# KiCad board RADAR_Main_Board.kicad_pcb (continued)
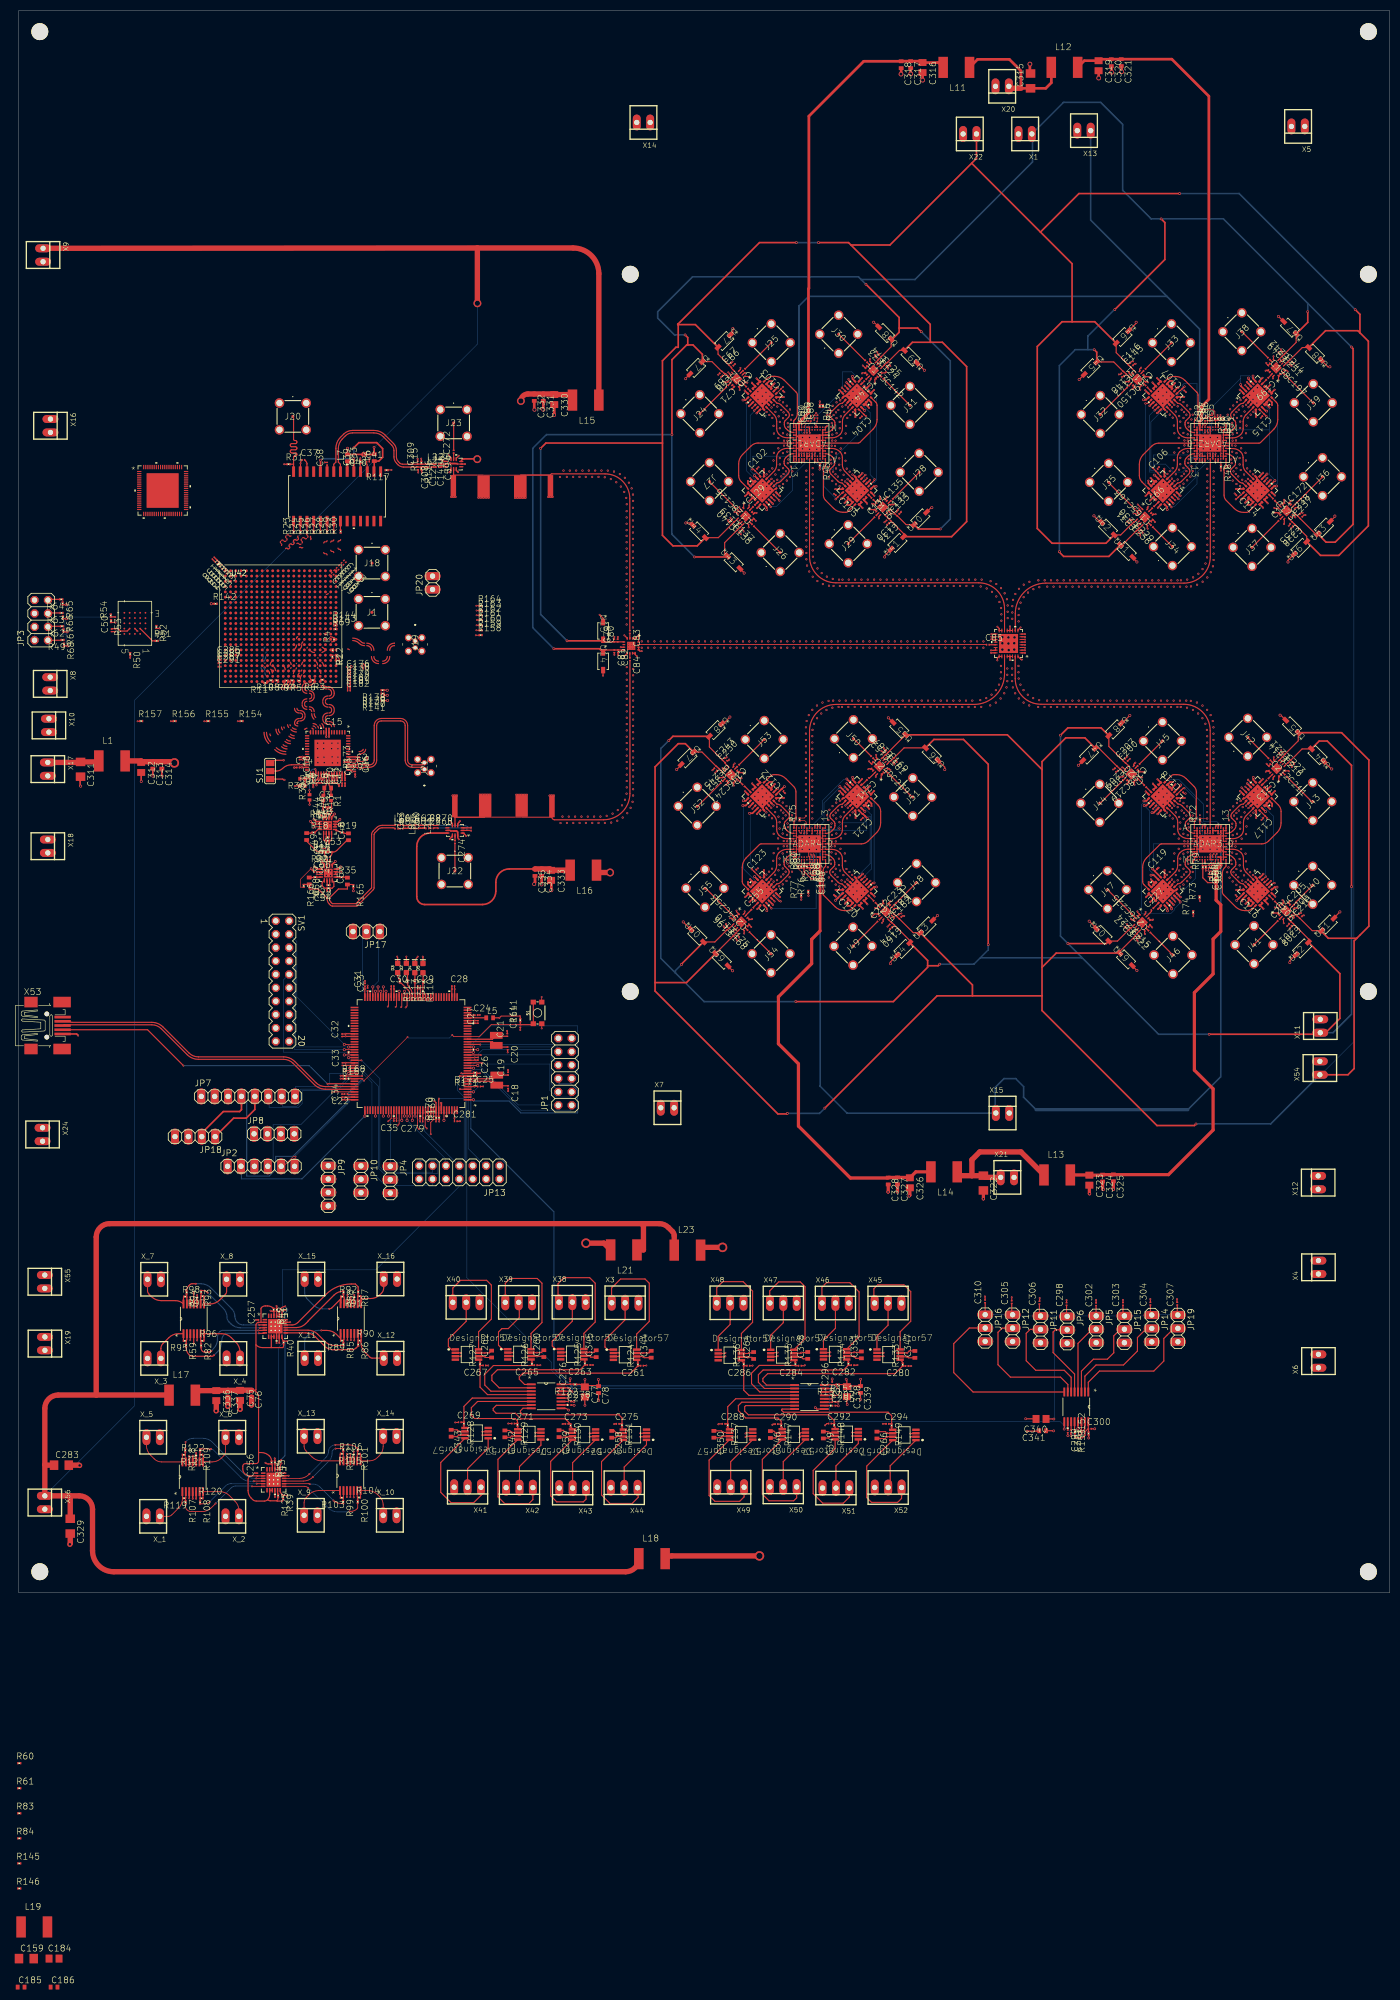
[diagram p0: board, top side]
## Nets (continued)
N$80: ADAR2_0.N5 R55.1 R78.2
N$81: ADAR3_0.N4 R56.1 R79.2
N$82: C65.1 L10.2
N$83: ADAR4_0.N5 R58.1 R81.2
N$84: ADAR4_0.N4 R57.1 R80.2
N$85: C54.2 R32.2 U8.1
N$86: C54.1 R32.1 U8.4
N$87: R22.1 U8.3
N$88: R22.2 U8.2
N$89: R35.1 U8.5
N$91: R112.2 U2.53
N$92: D3.A R114.1
N$93: R113.2 U2.54
N$94: R114.2 U2.55
N$95: D2.A R113.1
N$96: C39.1 U3.19
N$97: D4.A R112.1
N$98: D5.A R110.1
N$99: C141.1 L22.2 L26.1
N$100: C72.1 RF_SW_3.15
N$101: C141.2 L25.2 L27.1
N$102: C56.2 U8.14
N$103: R34.2 U8.16
N$104: C51.1 U8.11
N$105: C52.1 U8.10
N$106: R138.2
N$107: R139.2
N$108: R140.2
N$109: R141.2
N$110: C53.2 R20.1 R21.2
N$111: C57.2 R35.2
N$112: C58.1 R34.1
N$113: C63.1 C64.2 L3.1 L8.2
N$114: R142.2
N$115: R144.1
N$116: R143.1
N$125: C63.2 C65.2 L4.1 L8.1
N$127: C71.1 RF_SW_3.10
N$128: C70.1 J25.1
N$129: C71.2 J24.1
N$130: C126.2 RF_SW_1.3
N$131: C129.1 RF_SW_1.15
N$132: C128.1 RF_SW_1.10
N$133: C126.1 J27.1
N$134: C128.2 J26.1
N$135: C134.2 RF_SW_2.3
N$136: C136.1 RF_SW_2.15
N$137: C135.1 RF_SW_2.10
N$138: C134.1 J29.1
N$139: C135.2 J28.1
N$140: C142.2 RF_SW_4.3
N$141: C144.1 RF_SW_4.15
N$142: C143.1 RF_SW_4.10
N$143: C142.1 J31.1
N$144: C143.2 J30.1
N$145: C149.2 RF_SW_7.3
N$146: C151.1 RF_SW_7.15
N$147: C150.1 RF_SW_7.10
N$148: C149.1 J33.1
N$149: C150.2 J32.1
N$150: C163.2 RF_SW_5.3
N$151: C166.1 RF_SW_5.15
N$152: C165.1 RF_SW_5.10
N$153: C163.1 J35.1
N$154: C165.2 J34.1
N$155: C171.2 RF_SW_6.3
N$156: C173.1 RF_SW_6.15
N$157: C172.1 RF_SW_6.10
N$158: C171.1 J37.1
N$159: C172.2 J36.1
N$160: C197.2 RF_SW_8.3
N$161: C199.1 RF_SW_8.15
N$162: C198.1 RF_SW_8.10
N$163: C197.1 J39.1
N$164: C198.2 J38.1
N$165: C204.2 RF_SW_10.3
N$166: C206.1 RF_SW_10.15
N$167: C205.1 RF_SW_10.10
N$168: C204.1 J41.1
N$169: C205.2 J40.1
N$170: C211.2 RF_SW_12.3
N$171: C213.1 RF_SW_12.15
N$172: C212.1 RF_SW_12.10
N$173: C211.1 J43.1
N$174: C212.2 J42.1
N$175: C218.2 RF_SW_11.3
N$176: C220.1 RF_SW_11.15
N$177: C219.1 RF_SW_11.10
N$178: C218.1 J45.1
N$179: C219.2 J44.1
N$180: C225.2 RF_SW_9.3
N$181: C227.1 RF_SW_9.15
N$182: C226.1 RF_SW_9.10
N$183: C225.1 J47.1
N$184: C226.2 J46.1
N$185: C232.2 RF_SW_14.3
N$186: C234.1 RF_SW_14.15
N$187: C233.1 RF_SW_14.10
N$188: C232.1 J49.1
N$189: C233.2 J48.1
N$190: C239.2 RF_SW_16.3
N$191: C241.1 RF_SW_16.15
N$192: C240.1 RF_SW_16.10
N$193: C239.1 J51.1
N$194: C240.2 J50.1
N$195: C246.2 RF_SW_15.3
N$196: C248.1 RF_SW_15.15
N$197: C247.1 RF_SW_15.10
N$198: C246.1 J53.1
N$199: C247.2 J52.1
N$200: C253.2 RF_SW_13.3
N$201: C255.1 RF_SW_13.15
N$202: C254.1 RF_SW_13.10
N$203: C253.1 J55.1
N$204: C254.2 J54.1
N$205: R43.2 U69.21
N$206: OPA_4.2 R85.1 R89.1
N$207: U11.8 X3.1
N$208: OPA_4.6 R86.1 R90.1
N$209: U11.1 X3.2
N$210: R124.2 U11.5
N$211: C261.2 R124.1 U10.1
N$212: U73.8 X38.1
N$213: OPA_4.9 R87.2 R91.2
N$214: U73.1 X38.2
N$215: R125.2 U73.5
N$216: OPA_4.13 R88.2 R92.2
N$217: C263.2 R125.1 U10.2
N$218: U74.8 X39.1
N$219: U74.1 X39.2
N$220: R126.2 U74.5
N$221: R41.2 U7.21
N$222: OPA_2.2 R59.1 R95.1
N$223: C265.2 R126.1 U10.3
N$224: OPA_2.6 R82.1 R96.1
N$225: U75.8 X40.1
N$226: U75.1 X40.2
N$227: R127.2 U75.5
N$228: OPA_2.9 R93.2 R97.2
N$229: C267.2 R127.1 U10.4
N$230: U76.8 X41.1
N$231: OPA_2.13 R94.2 R98.2
N$232: U76.1 X41.2
N$233: R128.2 U76.5
N$234: C269.2 R128.1 U10.5
N$235: U77.8 X42.1
N$236: U77.1 X42.2
N$237: R129.2 U77.5
N$238: OPA_3.2 R99.1 R103.1
N$239: C271.2 R129.1 U10.6
N$240: OPA_3.6 R100.1 R104.1
N$241: U78.8 X43.1
N$242: U78.1 X43.2
N$243: R130.2 U78.5
N$244: OPA_3.9 R101.2 R105.2
N$245: C273.2 R130.1 U10.7
N$246: U79.8 X44.1
N$247: OPA_3.13 R102.2 R106.2
N$248: U79.1 X44.2
N$249: R131.2 U79.5
N$250: C275.2 R131.1 U10.8
N$251: C277.1 U10.10
N$252: C276.1 R132.2 U10.16
N$253: C278.1 U10.11
N$254: OPA_1.2 R107.1 R119.1
N$255: U80.8 X45.1
N$256: OPA_1.6 R108.1 R120.1
N$257: U80.1 X45.2
N$258: R133.2 U80.5
N$259: C280.2 R133.1 U88.1
N$260: OPA_1.9 R109.2 R121.2
N$261: U81.8 X46.1
N$262: U81.1 X46.2
N$263: OPA_1.13 R118.2 R122.2
N$264: R134.2 U81.5
N$265: C282.2 R134.1 U88.2
N$266: U82.8 X47.1
N$267: U82.1 X47.2
N$268: R135.2 U82.5
N$269: C284.2 R135.1 U88.3
N$270: U83.8 X48.1
N$271: U83.1 X48.2
N$272: R136.2 U83.5
N$273: C286.2 R136.1 U88.4
N$274: U84.8 X49.1
N$275: U84.1 X49.2
N$276: R137.2 U84.5
N$277: C288.2 R137.1 U88.5
N$278: U85.8 X50.1
N$279: U85.1 X50.2
N$280: R147.2 U85.5
N$281: C290.2 R147.1 U88.6
N$282: U86.8 X51.1
N$283: U86.1 X51.2
N$284: R148.2 U86.5
N$285: C292.2 R148.1 U88.7
N$286: U87.8 X52.1
N$287: U87.1 X52.2
N$288: R149.2 U87.5
N$289: C294.2 R149.1 U88.8
N$290: C295.1 U88.10
N$291: C296.1 R150.2 R151.2 U88.16
N$292: C297.1 U88.11
N$293: R151.1 U88.13
N$294: R153.1 U89.12
N$295: JP5.2 U89.4
N$296: JP6.2 U89.5
N$297: JP19.2 U89.1
N$298: JP12.2 U89.7
N$299: JP14.2 U89.2
N$300: C60.1 C61.2 L2.2 L24.1
N$301: JP16.2 U89.8
N$302: C299.1 U89.10
N$303: C300.1 R152.2 R153.2 U89.16
N$304: C301.1 U89.11
N$305: C60.2 C62.2 L2.1 L28.1
N$306: JP11.2 U89.6
N$307: JP15.2 U89.3
N$308: C268.1 L24.2
N$309: C270.1 L28.2
PA_BIAS1_1: ADAR1_0.A10 ADTR1107_3.7 C103.1
PA_BIAS1_2: ADAR2_0.A10 ADTR1107_7.7 C107.1
PA_BIAS1_3: ADAR3_0.A10 ADTR1107_10.7 C116.1
PA_BIAS1_4: ADAR4_0.A10 ADTR1107_14.7 C120.1
PA_BIAS2_1: ADAR1_0.A9 ADTR1107_1.7 C102.1
PA_BIAS2_2: ADAR2_0.A9 ADTR1107_5.7 C106.1
PA_BIAS2_3: ADAR3_0.A9 ADTR1107_12.7 C117.1
PA_BIAS2_4: ADAR4_0.A9 ADTR1107_16.7 C121.1
PA_BIAS3_1: ADAR1_0.A5 ADTR1107_2.7 C105.1
PA_BIAS3_2: ADAR2_0.A5 ADTR1107_6.7 C114.1
PA_BIAS3_3: ADAR3_0.A5 ADTR1107_11.7 C118.1
PA_BIAS3_4: ADAR4_0.A5 ADTR1107_15.7 C122.1
PA_BIAS4_1: ADAR1_0.A4 ADTR1107_4.7 C104.1
PA_BIAS4_2: ADAR2_0.A4 ADTR1107_8.7 C115.1
PA_BIAS4_3: ADAR3_0.A4 ADTR1107_9.7 C119.1
PA_BIAS4_4: ADAR4_0.A4 ADTR1107_13.7 C123.1
RF_IO: C85.2 U16.21
RF_IO_1: ADAR1_0.A7 U16.14
RF_IO_2: ADAR2_0.A7 U16.10
RF_IO_3: ADAR3_0.A7 U16.31
RF_IO_4: ADAR4_0.A7 U16.27
RF_RX: U13.5 U$3.P$1
RF_RX_FIL: C84.2 U$3.P$2
RF_TX: U5.5 U$2.P$2
RF_TX_FIL: C83.1 U$2.P$1
RX1_1: ADAR1_0.J13 ADTR1107_3.2
RX1_2: ADAR2_0.J13 ADTR1107_7.2
RX1_3: ADAR3_0.J13 ADTR1107_10.2
RX1_4: ADAR4_0.J13 ADTR1107_14.2
RX2_1: ADAR1_0.C13 ADTR1107_1.2
RX2_2: ADAR2_0.C13 ADTR1107_5.2
RX2_3: ADAR3_0.C13 ADTR1107_12.2
RX2_4: ADAR4_0.C13 ADTR1107_16.2
RX3_1: ADAR1_0.E1 ADTR1107_2.2
RX3_2: ADAR2_0.E1 ADTR1107_6.2
RX3_3: ADAR3_0.E1 ADTR1107_11.2
RX3_4: ADAR4_0.E1 ADTR1107_15.2
RX4_1: ADAR1_0.L1 ADTR1107_4.2
RX4_2: ADAR2_0.L1 ADTR1107_8.2
RX4_3: ADAR3_0.L1 ADTR1107_9.2
RX4_4: ADAR4_0.L1 ADTR1107_13.2
STEPPER_CLK+: JP9.4 U2.119
STEPPER_CW+: JP9.2 U2.118
STM32_MISO1: U2.42 U42.M18
STM32_MISO4: JP1.8 JP13.1 U2.4
STM32_MISO_1V8: ADAR1_0.M4 ADAR2_0.M4 ADAR3_0.M4 ADAR4_0.M4 R164.2 U42.U2
STM32_MOSI1: U2.43 U42.L18
STM32_MOSI4: JP1.7 JP13.3 U2.5
STM32_MOSI_1V8: ADAR1_0.M5 ADAR2_0.M5 ADAR3_0.M5 ADAR4_0.M5 R163.2 U42.V2
STM32_NRST: C164.2 JP2.5 R111.1 S1.3 S1.4 U2.25
STM32_OSC_32_N: C18.1 U2.8 XTAL3.2
STM32_OSC_32_P: C19.1 U2.9 XTAL3.1
STM32_OSC_N: C20.1 U2.23 XTAL1.2
STM32_OSC_P: C21.1 U2.24 XTAL1.1
STM32_RX3: JP17.2 U2.70
STM32_RX5: JP8.3 U2.116
STM32_SCL1: R170.2 U2.136 U7.20 U69.20
STM32_SCL2: R172.2 U2.11 U10.14 U88.14 U89.14
STM32_SCL3: JP7.4 JP18.2 R167.2 U2.100
STM32_SCLK1: U2.41 U42.K19
STM32_SCLK4: JP1.6 JP13.2 U2.1
STM32_SCLK_1V8: ADAR1_0.M6 ADAR2_0.M6 ADAR3_0.M6 ADAR4_0.M6 R162.2 U42.U3
STM32_SDA1: R169.2 U2.137 U7.19 U69.19
STM32_SDA2: R171.2 U2.10 U10.15 U88.15 U89.15
STM32_SDA3: JP7.5 JP18.1 R168.2 U2.99
STM32_SWCLK: JP2.2 U2.109
STM32_SWDIO: JP2.4 U2.105
STM32_SWO: JP2.6 U2.133
STM32_TX3: JP17.1 U2.69
STM32_TX5: JP8.2 U2.113
STM32_USB_FS_D_N: U2.103 X53.2
STM32_USB_FS_D_P: U2.104 X53.3
STM32_USB_FS_ID: U2.102 X53.4
TR_SW_POS_1: ADAR1_0.B5 ADTR1107_1.20 ADTR1107_2.20 ADTR1107_3.20 ADTR1107_4.20
TR_SW_POS_2: ADAR2_0.B5 ADTR1107_5.20 ADTR1107_6.20 ADTR1107_7.20 ADTR1107_8.20
TR_SW_POS_3: ADAR3_0.B5 ADTR1107_9.20 ADTR1107_10.20 ADTR1107_11.20 ADTR1107_12.20
TR_SW_POS_4: ADAR4_0.B5 ADTR1107_13.20 ADTR1107_14.20 ADTR1107_15.20 ADTR1107_16.20
TX1_1: ADAR1_0.L13 ADTR1107_3.5
TX1_2: ADAR2_0.L13 ADTR1107_7.5
TX1_3: ADAR3_0.L13 ADTR1107_10.5
TX1_4: ADAR4_0.L13 ADTR1107_14.5
TX2_1: ADAR1_0.E13 ADTR1107_1.5
TX2_2: ADAR2_0.E13 ADTR1107_5.5
TX2_3: ADAR3_0.E13 ADTR1107_12.5
TX2_4: ADAR4_0.E13 ADTR1107_16.5
TX3_1: ADAR1_0.C1 ADTR1107_2.5
TX3_2: ADAR2_0.C1 ADTR1107_6.5
TX3_3: ADAR3_0.C1 ADTR1107_11.5
TX3_4: ADAR4_0.C1 ADTR1107_15.5
TX4_1: ADAR1_0.J1 ADTR1107_4.5
TX4_2: ADAR2_0.J1 ADTR1107_8.5
TX4_3: ADAR3_0.J1 ADTR1107_9.5
TX4_4: ADAR4_0.J1 ADTR1107_13.5
VG_1: OPA_2.14 R98.1 X_7.1
VG_2: OPA_4.8 R91.1 X_16.1
VG_3: OPA_2.8 R97.1 X_8.1
VG_4: OPA_4.14 R92.1 X_15.1
VG_5: OPA_2.7 R96.2 X_4.1
VG_6: OPA_4.1 R89.2 X_11.1
VG_7: OPA_2.1 R95.2 X_3.1
VG_8: OPA_4.7 R90.2 X_12.1
VG_9: OPA_1.14 R122.1 X_5.1
VG_10: OPA_3.8 R105.1 X_14.1
VG_11: OPA_1.8 R121.1 X_6.1
VG_12: OPA_3.14 R106.1 X_13.1
VG_13: OPA_1.7 R120.2 X_2.1
VG_14: OPA_3.1 R103.2 X_9.1
VG_15: OPA_1.1 R119.2 X_1.1
VG_16: OPA_3.7 R104.2 X_10.1

Pads without a net: ADAR1_0 A3 B4; ADAR2_0 A3 B4; ADAR3_0 A3 B4; ADAR4_0 A3 B4; JP3 4 6; JP4 2; JP7 1; JP10 2; R60 1 2; R61 1 2; R83 1 2; R84 1 2; R145 1 2; R146 1 2; U1 1 2 25 28 51 52 53 54 55 56; U2 2 3 7 12 26 27 28 29 40 44 45 46 47 48 49 73 74 75 76 101 110 111 112 114 115 117 141 142; U3 9 10 11 12 13 14 25; U6 1 3 4 5 6 7 8 9 10 11 12 13 15 16 17 18 19 21 22 23 25 26 27 29 30 31 32 33 34 35 36 39 40 41 42 43 44 45 46 47 48 50 51 52 53 54 55 56 57 58 60 61 62 63 64 65 66 67 69 70 71 72 73 74 75 76 77; U7 1 7 18 23 24 V V_1 V_2 V_3 V_4 V_5 V_6 V_7 V_8; U9 A2 A3 A5 B1 B5 C1 C3 C5 D1 D5 E1 E2 E3 E4 E5; U11 4; U42 A1 A4 A6 A8 A10 A13 A14 A15 A16 A18 A19 A20 A21 AA4 AA6 AA8 AA9 AA10 AA11 AA13 AA14 AA15 AA16 AA18 AA20 AA21 AB5 AB6 AB7 AB8 AB10 AB11 AB12 AB13 AB15 AB16 AB17 B1 B2 B4 B5 B6 B7 B8 B9 B10 B11 B13 B15 B16 B17 B18 B20 B21 B22 C2 C4 C5 C7 C8 C9 C11 C13 C14 C15 C17 C18 C19 C20 C22 D1 D2 D5 D6 D7 D9 D10 D11 D14 D15 D16 D17 D19 D20 D21 D22 E1 E2 E3 E6 E8 E10 E13 E14 E16 E17 E18 E19 E21 E22 F1 F3 F4 F6 F7 F8 F9 F10 F13 F14 F15 F16 F18 F19 F20 F21 G1 G2 G3 G4 G11 G13 G15 G17 G21 G22 H2 H3 H4 H5 H14 H15 H17 H19 J1 J2 J4 J5 J6 J14 J16 J17 J19 J20 J21 J22 K1 K2 K3 K4 K6 K16 K17 K21 L1 L3 L4 L5 L6 L9 L10 L14 L16 L21 M1 M2 M3 M5 M6 M9 M10 M16 M17 N2 N3 N4 N5 N9 N10 N12 N13 N15 P1 P2 P4 P5 P6 P14 P15 P17 P19 P20 P22 R1 R4 R6 R16 R17 R19 T4 T5 T6 T14 T15 T16 U5 U6 U7 U8 U9 U10 U11 U12 U15 U16 U18 U21 V3 V4 V5 V7 V8 V9 V10 V13 V14 V15 V18 V20 W1 W4 W5 W6 W7 W9 W10 W11 W12 W14 W15 W16 W17 W19 W20 W21 W22 Y1 Y4 Y6 Y7 Y8 Y9 Y11 Y12 Y13 Y14 Y16 Y17; U69 1 7 18 23 24 V V_1 V_2 V_3 V_4 V_5 V_6 V_7 V_8; U73 4; U74 4; U75 4; U76 4; U77 4; U78 4; U79 4; U80 4; U81 4; U82 4; U83 4; U84 4; U85 4; U86 4; U87 4; X53 1 M1 M2 M3 M4

## Via types
v1: diameter 0.35, hole 0.15, Top to Bottom, 844 vias
v2: diameter 0.55, hole 0.35, Top to Bottom, 89 vias
v3: diameter 0.5, hole 0.3, Top to Bottom, 332 vias
v4: diameter 1.5, hole 1, Top to Bottom, 4 vias
v5: diameter 1.8, hole 1.2, Top to Bottom, 4 vias
v6: diameter 0.4, hole 0.2, Top to Bottom, 1255 vias
v7: diameter 0.75, hole 0.5, Top to Bottom, 21 vias
v8: diameter 0.9, hole 0.6, Top to Bottom, 7 vias

## Routing (per net, layer and track width the routed paths; a pad name or vN(x,y) marks a point on that pad's centre or on a via; arc(x,y) is an arc through that point)
+1V8_CLOCK: length 10
  Top w1: L1.1 15.19,157.54 C311.1 11.73,157.44 X17.1
+1V8_CLOCK_F: length 32.3
  Top w0.15: C293.2 65.3,157.6 64,157.6 63.9,157.5 U1.46
  Top w0.204: v6(50.25,157.85) 48.93,157.85 arc(48.25,157.72) SJ1.3
  Top w0.25: U1.37 59.37,155.33 v6(59.37,154.48) 59.4,154.46 C8.2 ; C14.2 53.26,156.5 v6(53.7,156.5) U1.27 ; U1.33 57.37,155.33 v6(57.37,154.48) 57.04,154.16 C6.2 ; v6(61.72,157.46) 61.76,157.5 U1.46 ; U1.38 59.87,155.33 v6(59.87,154.48) 59.87,154.02 C9.2 ; C4.2 55.87,154.18 v6(55.85,154.2) U1.30 ; C5.2 56.47,154.12 v6(56.85,154.5) U1.32 ; C13.2 63.81,155.73 v6(63.27,155.73) 63.01,156 U1.43 ; U1.41 61.35,154.51 v6(61.32,154.48) 61.32,154.04 C11.2 ; U1.39 60.35,154.51 v6(60.37,154.48) 60.4,154.46 C10.2 ; C7.2 57.62,154.23 v6(57.87,154.48) 57.87,155.33 U1.34 ; U1.42 61.85,154.51 v6(61.87,154.48) 61.9,154.46 C12.2
  Top w1: L1.2 23.23,157.73 C312.1 23.23,157.58 C313.1 27.15,157.58 C314.1 29.52,157.58 v5(29.52,157.35)
+1V8_FPGA: length 6.9
  Top w0.15: R157.1 22.92,165.25 v1(22.55,165.25) ; v1(41.55,165.25) 41.98,165.25 R154.1 ; v1(35.2,165.25) 35.62,165.25 R155.1 ; v1(28.85,165.25) 29.27,165.25 R156.1
  Top w0.25: C15.2 58.85,163.85 U1.7 v6(58.85,162.32) ; C16.2 53.3,158 v6(53.85,158) U1.24 ; U1.47 63.87,158 v1(63.93,157.95) 64.47,157.95 C36.2
+3V3: length 37.5
  Top w0.15: v1(91.18,109.03) 91.5,109.35 v1(95.05,109.35)
  Top w0.2: v1(76.65,89.99) 76.65,90.1 ; 76.65,90.1 76.65,91.51 U2.131 ; 76.65,90.1 76.63,90.1 C279.1 ; v1(91.18,109.03) 91.18,109.02 L5.2 ; U2.52 75.65,112.95 v1(75.65,114.49) 75.7,114.49 C29.1 ; U2.84 63.69,105.5 v1(62,105.5) 61.34,105.5 C32.1 ; C30.1 70.66,114.49 v1(70.65,114.49) 70.65,112.95 U2.62 ; U2.39 82.16,114.49 v1(82.15,114.49) 82.16,114.49 C28.1 ; C35.1 71.66,89.99 v1(71.65,89.99) 71.65,91.51 U2.121 ; C31.1 65.66,114.49 v1(65.65,114.49) 65.65,112.95 U2.72 ; C25.1 v1(86.5,96) 86.5,95.98 U2.6 ; C34.1 62,93.49 v1(62,93.5) 63.69,93.5 U2.108 ; U2.144 U2.143 82.65,91.51 v1(82.65,89.99) 82.66,89.99 C281.1 ; U2.30 85.13,108 v1(86.5,108) 87.1,108 C27.1 ; C33.1 62,99.99 v1(62,100) 63.69,100 U2.95 ; U2.17 86.5,101.48 v1(86.5,101.5) 87.09,101.5 C26.1
  Top w0.204: R168.1 61.1,98.03 arc(61.07,98.04) v1(61.05,98.05) ; v1(79.75,89.35) 79.75,89.74 arc(79.74,89.78) R169.1 ; v1(61.05,97.5) 61.52,97.5 arc(61.54,97.49) R167.1 ; R170.1 79.17,89.4 arc(79.16,89.37) v1(79.15,89.35) ; R111.2 95.14,109.13 arc(95.12,109.25) v1(95.05,109.35) ; v1(87.5,98.5) 87.12,98.5 arc(86.97,98.53) R172.1 R171.1
+3V3_ADAR1_F: length 91
  Top w0.3: ADAR1_0.M10 ADAR1_0.M11 ADAR1_0.N11 148,221.55
  Top w0.5: L11.2 174.43,290.14 C316.1 171.17,290.4 C317.1 167.4,290.4 C318.1 160.28,290.38 149.88,279.98 149.88,247.33 149.8,247.25 149.8,223.7 148,221.9 148,221.55
+3V3_ADAR2_F: length 96.7
  Top w0.15: R78.1 226.88,224 226.6,224.28 224.35,224.28
  Top w0.3: 224,221.4 ADAR2_0.N11 ADAR2_0.M11 ADAR2_0.M10
  Top w0.5: 224,221.4 224,222.05 224.35,222.4 224.35,224.9 225.75,226.3 225.75,283.75 218.72,290.78 C321.1 207.25,290.78 C320.1 205.11,290.77 C319.1 202.12,290.49 L12.2
+3V3_ADAR3_F: length 91.9
  Top w0.204: 227.12,134.65 225.53,134.65 224.6,135.57 R79.1
  Top w0.3: 228,138.35 ADAR3_0.N11 ADAR3_0.M11 ADAR3_0.M10
  Top w0.5: 207.59,79.29 C325.1 ; 205.49,79.19 C324.1 ; 203.04,79.23 C323.1
  Top w0.6: C324.1 218.09,79.29 226.55,87.75 226.55,95.55 223,99.1 223,113.8 226.55,117.35 226.55,123.95 228,125.4 228,130.45 227.12,131.32 227.12,137.03 228,137.9 228,138.35 ; L13.2 203.04,79.23 ; C323.1 205.49,79.19
+3V3_ADAR4_F: length 90.9
  Top w0.2: R80.1 R81.1 148.95,136.78 150.35,135.38 152,135.38
  Top w0.3: ADAR4_0.M10 ADAR4_0.M11 ADAR4_0.N11 152,138.4
  Top w0.5: 164.85,78.65 C328.1 164.96,78.76 ; 152,125.5 152,138.4 ; 157.8,78.65 157.75,78.65 ; 168.96,78.76 C326.1
  Top w0.6: 157.8,78.65 164.85,78.65 ; C326.1 170.16,79.82 L14.2 ; 152,125.5 150.4,123.9 150.4,119.3 144.1,113 144.1,104.1 147.9,100.3 147.9,88.5 157.75,78.65 ; 168.96,78.76 C327.1 164.96,78.76
+3V3_ADAR12: length 26.1
  Top w0.5: L12.1 195.86,286.31 194.81,285.26 C315.1 190.1,285.26 190.1,288.55 187.9,290.75 181.88,290.75 L11.1
  Top w1: 190.1,285.26 188.18,285.26 X20.1
+3V3_ADAR34: length 28.9
  Top w0.5: L13.1 194.41,79.18 194.22,79.18 194.85,79.8 194.84,79.81
  Top w1: X21.1 183.3,78.77 C322.1 180.8,79.09 ; 180.8,79.09 180.8,82.1 182.3,83.6 190.1,83.6 L13.1 ; 180.8,79.09 178.75,79.09 L14.1
+3V3_ADTR: length 16.5
  Top w0.1: v6(155.67,152.03) 155.7,152 155.71,152.01 ; v6(144.4,131.93) 144.4,131.95 144.37,131.93 ; 235.43,135.62 235.4,135.65 ADTR1107_10.24 ; v6(236,212.35) 236,212.32 ; 140.66,148.34 140.65,148.35 ADTR1107_15.24 ; 159.4,211.65 ADTR1107_2.24 ; ADTR1107_13.24 143.65,132.65 143.72,132.58 ; ADTR1107_14.24 159.4,135.65 159.42,135.64 ; ADTR1107_16.24 156.35,151.35 156.36,151.37 ; 232.35,151.35 232.35,151.35 ADTR1107_12.24 ; v6(216.03,147.65) 216.05,147.65 216.03,147.68 ; ADTR1107_9.24 219.65,132.65 219.72,132.56 ; 236.07,136.27 236.05,136.3 v6(236.07,136.3) ; 231.7,152 v6(231.67,152) ; ADTR1107_5.24 219.65,208.65 219.67,208.66 ; 216.67,148.33 216.65,148.35 ADTR1107_11.24 ; 143.69,208.61 143.65,208.65 ADTR1107_1.24 ; 160.06,136.29 160.05,136.3 v6(160.07,136.32) ; ADTR1107_4.24 156.35,227.35 156.33,227.39 ; v6(140.03,147.68) 140.05,147.7 140.04,147.71 ; 232.31,227.44 232.35,227.35 ADTR1107_8.24 ; 144.35,207.95 v6(144.38,207.95) ; v6(155.65,228.05) 155.68,228.05 ; v6(220.35,208) 220.32,208 ; 235.36,211.69 235.4,211.65 ADTR1107_6.24 ; 231.65,228.1 v6(231.62,228.1) ; 160.03,212.27 160,212.3 v6(160.03,212.3) ; v6(220.4,131.9) 220.37,131.9
  Top w0.3: 219.72,132.56 220.37,131.9 ; 231.7,152 ADTR1107_12.24 232.36,151.34 ; 236.07,136.27 235.42,135.62 ; 159.42,135.64 160.07,136.3 ; ADTR1107_7.24 216,223.7 v6(215.95,223.7) ; ADTR1107_3.24 139.97,223.68 v6(139.97,223.65) ; 160.03,212.27 159.37,211.62 ; 155.7,152.03 156.36,151.37 ; 216.68,148.33 216.03,147.68 ; 156.33,227.39 155.68,228.05 ; 219.67,208.66 220.32,208 ; 236,212.32 235.34,211.67 ; 143.69,208.61 144.35,207.95 ; 140.03,147.7 140.68,148.36 ; 143.72,132.58 144.37,131.93 ; 232.31,227.44 231.65,228.1
+3V3_AN: length 869.6
  Top w0.3: 65.72,215.82 67.38,215.82 L6.2 67.44,217.17 v3(67.4,217.2) ; 65.72,215.82 65.72,216.06 C42.1 ; 65.72,215.82 C40.1
  Top w1: 14.7,37.5 28.49,37.5 arc(28.5,37.49) L17.1 ; 14.7,37.5 7.49,37.5 arc(5.69,36.76) 4.95,34.96 4.95,24.3 ; 14.7,37.5 14.7,67.46 arc(15.44,69.26) 17.24,70 118,70 ; 9.8,18.39 X56.1 4.95,24.3 ; 9.8,18.39 11.46,18.39 arc(13.26,17.65) 14,15.85 14,8 arc(15.17,5.17) 18,4 115.14,4 arc(116.89,4.73) L18.1 ; 9.8,18.39 9.78,18.37 C329.1 ; v4(112.17,136.57) 110.04,136.57 arc(109.73,136.71) L16.1 ; C283.1 5.05,24.2 4.95,24.3 ; L23.1 124.34,67.68 arc(124.25,68.12) 124,68.5 123.24,69.26 arc(122.42,69.81) 121.45,70 118,70 ; X9.1 87,254.98 ; 87,254.98 v4(87,244.5) ; 87,254.98 105.17,254.98 arc(108.61,253.56) 110.03,250.12 L15.1 ; 118,70 arc(118.35,69.85) 118.5,69.5 118.5,65.02 L21.1
  In2.Cu w1: v4(112.17,136.57) 113.9,136.57 arc(115.19,137.11) 115.72,138.4 115.72,140.59 arc(114.98,142.38) 113.19,143.12 93.91,143.12 arc(92.21,143.83) 91.5,145.54 91.5,235 arc(91.21,235.71) 90.5,236 89.54,236 arc(87.74,236.74) 87,238.54 v4(87,244.5)
  Bottom w0.1: v4(87,244.5) 87,236.75 67.5,217.25 v3(67.4,217.2) 67.25,217 67.25,214.5 22,169.25 22,35.5 5,18.5 X56.1
+3V3_AN1_F: length 32.8
  Top w0.3: U5.9 arc(84.08,214.86) 84.43,215 86.93,215 arc(86.96,214.99) v4(86.97,214.95)
  Top w1: v4(95.25,225.97) arc(95.64,226.91) 96.57,227.3 C332.1 C331.1 101.47,227.3 arc(101.55,227.27) C330.1 103.99,227.19 arc(104.73,226.88) L15.2
  In3.Cu w1: v4(86.97,214.95) 86.97,214.93 92.71,214.93 arc(94.51,215.67) 95.25,217.47 v4(95.25,225.97)
+3V3_AN2_F: length 51.5
  Top w0.3: U13.9 78.04,144.05 arc(76.24,143.31) 75.5,141.51 75.5,132 arc(75.94,130.94) 77,130.5 87.96,130.5 arc(89.76,131.24) 90.5,133.04 90.5,134.71 arc(91.24,136.51) 93.04,137.25 97.95,137.25
  Top w1: L16.2 101.01,137.02 arc(100.99,137.01) C333.1 arc(100.9,137.17) 100.72,137.25 C334.1 97.95,137.25 arc(97.94,137.24) C335.1
+3V3_AN3_F: length 81
  Top w0.2: U7.2 45.5,51.29 arc(45.47,51.28) C257.1 arc(45.13,51.11) 45,50.79 45,38.5 arc(44.98,38.45) 44.92,38.42 C76.1 arc(45.11,38.04) 45.5,37.1 45.5,25 arc(45.35,24.65) 45,24.5 43,24.5 arc(42.65,24.35) 42.5,24 42.5,23.5 arc(42.89,22.56) 43.83,22.17 C256.1 46.36,22.17 arc(46.37,22.18) U69.2
  Top w0.204: U69.9 U69.8 47.6,18.62 arc(47.5,18.09) 47.2,17.65 ; R44.1 47.96,24.96 arc(47.85,25.5) 47.55,25.95 arc(46.83,26.43) 45.98,26.6 45.5,26.6 ; R40.2 50.24,46.84 arc(50.2,46.66) 50.1,46.5 47.95,46.5 ; 48.95,17.45 47.68,17.45 arc(47.42,17.5) 47.2,17.65 ; 48.95,17.45 arc(49.14,17.73) 49.2,18.05 R123.2 ; 48.95,17.45 arc(49.01,17.41) 49.07,17.4 50.05,17.4 arc(50.12,17.5) 50.14,17.62 R39.2 ; 45.95,51.29 45.95,53.86 arc(45.98,53.99) 46.05,54.1 arc(46.38,54.32) 46.77,54.4 47.19,54.4 arc(47.82,54.27) R42.1 ; U7.9 U7.8 47.91,46.6 arc(47.92,46.54) 47.95,46.5 ; 47.95,46.5 46.21,46.5 arc(45.55,46.63) 45,47 ; 47.2,17.65 arc(46.92,17.46) 46.6,17.4 45.05,17.4 arc(44.68,17.47) 44.37,17.68 44.1,17.95 arc(43.66,18.61) 43.5,19.4 43.5,21.39 arc(43.58,21.81) 43.83,22.17
  Top w1: C76.1 42.01,38.42 arc(41.99,38.41) C75.1 39.71,38.39 arc(39.7,38.38) C337.1 37.51,38.37 arc(37.49,38.36) C336.1 34.37,38.34 arc(33.76,38.09) L17.2
+3V3_AN4_F: length 109.2
  Top w0.2: v3(107.4,40.45) 107.4,39.09 ; 107.4,39.09 arc(107.39,39.06) C77.1 arc(107.67,39.23) 108.01,39.3 109.99,39.3 ; 107.4,39.09 arc(106.91,39.41) 106.34,39.53 R132.1 ; R150.1 156.11,39.49 arc(156.64,39.39) C338.1 ; C338.1 157.08,40.19 arc(157.05,40.36) v3(156.95,40.5) ; C338.1 arc(157.22,39.18) 157.38,39.22 C339.1 159.68,40.44 arc(159.68,40.47) v3(159.7,40.5) ; R152.1 202.95,29.94 v3(202.95,29.35) ; 109.99,39.3 109.99,40.35 arc(109.98,40.41) v3(109.95,40.45) ; 109.99,39.3 C78.1
  Top w0.204: JP12.1 188.35,52.9 C305.1 ; C303.1 209.45,52.78 JP15.1 ; C306.1 193.6,52.71 JP11.1 ; C307.1 219.75,52.8 JP19.1 ; C310.1 183.32,55 JP16.1 ; C298.1 198.75,52.53 JP6.1 ; C302.1 204.35,52.54 JP5.1 ; v3(196.3,30.7) 196.27,30.73 C341.1 ; C340.1 196.33,32.97 v3(196.35,32.95) ; JP14.1 214.65,52.94 C304.1
  Top w1: v5(140.5,7) 123.88,7 arc(123.2,6.86) L18.2
  Bottom w0.1: 196.5,52.5 198.75,52.5 JP6.1 199,52.5 204.25,52.5 JP5.1 204.5,52.5 209.5,52.5 JP15.1 209.75,52.5 214.75,52.5 JP14.1 215,52.75 219.75,52.75 JP19.1 ; 196.5,52.5 194,52.5 JP11.1 193.75,52.5 188.75,52.5 JP12.1 188.5,52.75 JP16.1 ; 196.5,52.5 196.5,33 v3(196.35,32.95)
+3V3_AN5_F: length 27.4
  Top w0.2: C262.1 88.58,44.62 v6(88.4,44.8) 87.28,44.8 U75.6 87.17,44.8 ; U11.6 117.22,44.8 v6(118.4,44.8) 118.61,44.59 C344.1 ; C345.1 108.51,44.69 v6(108.3,44.9) 107.22,44.9 U73.6 ; C343.1 83.14,30.91 v6(83.45,30.6) 84.64,30.6 U76.6 ; U79.6 v6(113.4,30.3) 112.99,30.71 C258.1 ; C260.1 99.45,44.85 v6(98.3,44.85) 97.22,44.85 U74.6 ; U77.6 94.62,30.4 v6(93.5,30.4) 93.11,30.79 C342.1 ; U78.6 103.84,30.34 v6(103.8,30.3) 103.28,30.82 C259.1
  Top w1: v5(107.6,66.3) 110.99,66.3 L21.2 112.27,66.31
+3V3_AN6_F: length 27.1
  Top w0.2: U86.6 153.66,30.39 v6(153.6,30.45) 153.48,30.57 C349.1 ; U82.6 147.11,44.7 v6(148.45,44.7) 148.78,44.37 C348.1 ; C264.1 139.1,44.65 v6(138.3,44.65) 138.21,44.74 U83.6 ; C347.1 168.74,44.56 v6(168.55,44.75) 167.29,44.75 U80.6 ; U87.6 164.7,30.25 v6(164.65,30.3) 164.39,30.56 C266.1 ; U84.6 134.77,30.4 v6(133.6,30.4) 133.29,30.71 C350.1 ; U81.6 158.36,44.89 v6(158.45,44.8) 158.79,44.46 C351.1 ; U85.6 144.74,30.3 v6(143.6,30.3) 143.24,30.66 C346.1
  Top w1: 129.74,65.38 L23.2 129.86,65.5 v5(133.5,65.5)
+3V3_FPGA: length 48.3
  Top w0.152: C41.1 66,214.48 v1(66,213.95) 66.1,213.84 U3.17
  Top w0.204: v1(21.15,177.28) 21.15,177.72 R50.2 ; v2(36.52,187.53) 37.09,187.53 R142.1 ; v2(9.18,182.2) 8.5,182.2 R67.2 ; R141.1 69.94,169.17 v2(69.95,169.18) ; C50.2 17.69,182.8 v1(18.3,182.8) 18.88,182.8 19.32,182.35 20.57,182.35 U9.B4 ; v1(26.7,182.85) 26.12,182.85 R52.2 ; R54.1 18.28,185.04 v1(18.32,185) ; R53.2 18.3,184 v1(18.35,183.95) ; v2(9.3,179.55) 8.61,179.55 R68.2 ; R65.2 8.36,187.35 v2(9.02,187.35) ; v2(9.07,184.7) 8.4,184.7 R66.2 ; C157.2 36.74,195.95 C158.2 ; R138.1 69.88,171.15 v2(69.9,171.12) ; v2(63.05,175.6) 62.9,175.44 C176.2 C178.2 C177.2 62.89,173.58 C179.2 62.87,172.92 C180.2 62.87,171.67 C181.2 62.87,171.07 C182.2 ; C37.1 53.7,214.77 arc(53.51,214.5) v1(53.45,214.18) 53.45,212.68 arc(53.44,212.63) U3.27 ; 51.04,175.45 arc(51.08,175.63) U42.W13 ; 48.1,174.4 arc(48.03,174.78) 47.81,175.11 ; 51.46,171.32 arc(51.52,171.64) 51.71,171.92 ; 51.81,172.02 arc(52.03,172.35) 52.1,172.73
  Bottom w0.1: 9,181.75 9,182 v2(9.18,182.2) 9,182.25 8.75,182.5 8.75,184.25 9,184.5 v2(9.07,184.7) 9.25,184.75 9.25,185 ; 9,181.75 9,180 9.25,179.75 v2(9.3,179.55) ; 9,181.75 3,181.75 JP3.2 ; v1(18.32,185) 9.25,185 ; 9.25,185 9.25,187.25 v2(9.02,187.35)
+3V3_VDD_SW: length 19.8
  Top w0.1: ADTR1107_7.19 214.35,226.65 214.31,226.68 ; 141.79,129.91 141.85,129.95 141.9,129.8 ; ADTR1107_8.19 234.65,229.65 234.61,229.74 ; ADTR1107_2.19 161.65,209.35 161.67,209.33 ; ADTR1107_14.19 161.65,133.35 161.72,133.34 ; ADTR1107_12.19 234.65,153.65 234.65,153.65 ; 234.24,230.11 234.12,230.11 234.12,230.22 ; ADTR1107_5.19 217.4,206.35 217.39,206.34 ; 138.36,150.64 138.35,150.65 ADTR1107_15.19 ; ADTR1107_4.19 158.65,229.65 158.63,229.69 ; ADTR1107_13.19 141.4,130.3 141.42,130.28 ; 217.42,130.26 217.4,130.35 ADTR1107_9.19 ; 237.64,209.37 237.65,209.35 ADTR1107_6.19 ; ADTR1107_1.19 141.4,206.35 141.39,206.31 ; 217.79,129.89 217.85,129.9 217.9,129.78 ; ADTR1107_16.19 158.65,153.65 158.66,153.67 ; ADTR1107_10.19 237.65,133.35 237.72,133.32 ; 214.38,150.62 214.35,150.65 ADTR1107_11.19
  Top w0.3: 161.72,133.34 162.2,133.82 v3(162.67,133.82) ; v3(141.88,205.35) 141.88,205.83 141.39,206.31 ; v3(158.15,230.65) 158.15,230.17 158.63,229.69 ; 138.38,150.66 137.9,150.18 v3(137.42,150.18) ; 234.66,153.64 ADTR1107_12.19 234.17,154.12 v3(234.17,154.6) ; v3(238.68,133.8) 238.2,133.8 237.72,133.32 ; v3(213.35,226.2) 213.83,226.2 214.31,226.68 ; 158.66,153.67 158.17,154.15 v3(158.17,154.62) ; ADTR1107_3.19 137.85,226.15 v3(137.38,226.15) ; 141.42,130.28 141.79,129.91 ; v3(238.6,209.85) 238.12,209.85 237.64,209.37 ; v3(213.42,150.15) 213.9,150.15 214.38,150.63 ; v3(234.12,230.7) 234.12,230.22 ; v3(162.62,209.8) 162.15,209.8 161.67,209.32 ; 141.9,129.8 v3(141.9,129.32) ; v3(217.85,205.4) 217.85,205.88 217.37,206.36 ; 217.9,129.78 v3(217.9,129.3) ; 217.42,130.26 217.79,129.89 ; 234.24,230.11 234.61,229.74
